# KiCad board d20_tri_r0.3_4x1.kicad_pcb (continued)
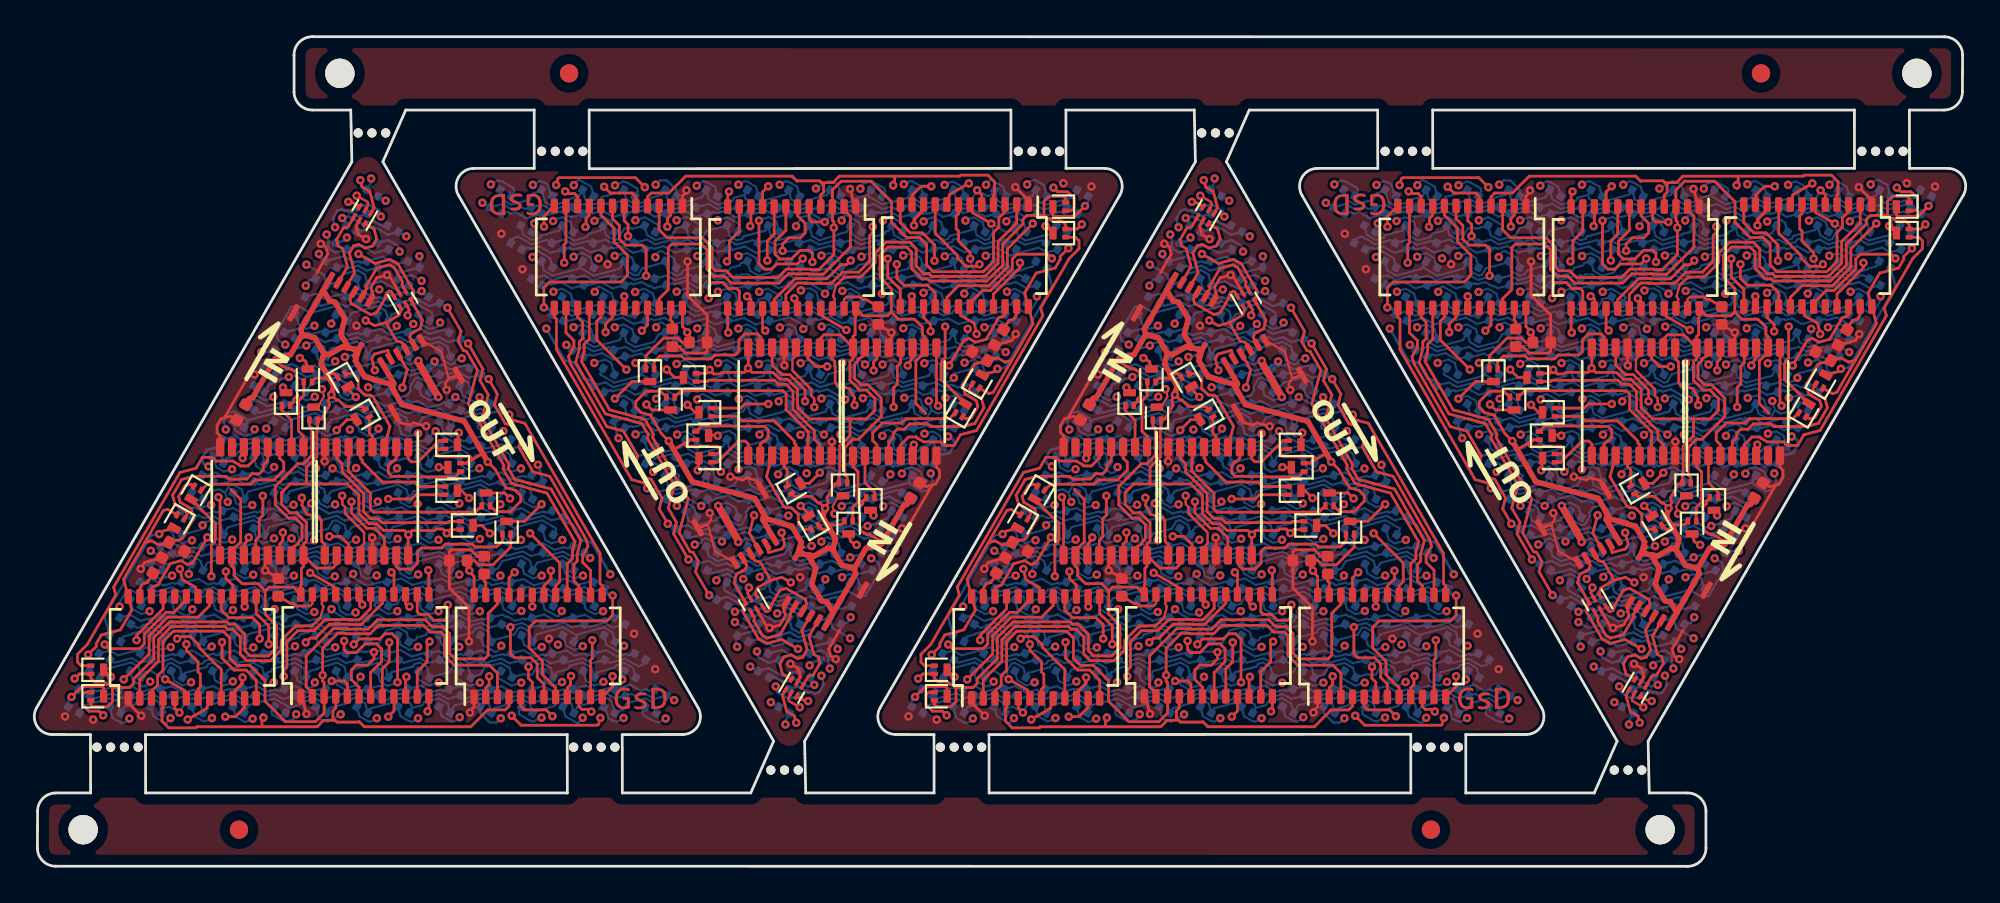
[diagram p0: board, top side]
## Routing (per net, layer and track width the routed paths; a pad name or vN(x,y) marks a point on that pad's centre or on a via; arc(x,y) is an arc through that point) (continued)
  In2.Cu w0.25: v1(25.46,12.03) 26.58,10.1 v1(26.55,10.02) 26.56,10.02 v1(27.66,8.11) ; v1(79.87,33.23) 78.76,35.15 v1(78.78,35.24) 78.77,35.24 v1(77.67,37.15) ; v1(73.66,8.11) 72.56,10.02 v1(72.55,10.02) 72.58,10.1 v1(71.46,12.03) ; v1(31.67,37.15) 32.77,35.24 v1(32.78,35.24) 32.76,35.15 v1(33.87,33.23)
  Bottom w0.114: v1(37.29,27.45) 37.31,27.49 37.77,27.61 38.24,27.34 D54.1 ; v1(38.43,25.49) 38.46,25.55 38.89,25.66 39.36,25.39 D55.1 ; 36.16,29.39 36.18,29.43 36.65,29.55 37.11,29.28 D53.1 ; D52.1 35.95,31.39 35.68,31.54 35.05,31.37 v1(35.03,31.34) ; v1(33.87,33.23) 34.03,33.51 34.21,33.56 34.86,33.18 D51.1 ; v1(32.78,35.24) 33.09,35.32 33.11,35.35 33.3,35.4 34.01,34.99 34.04,34.88 D50.1 ; D49.1 32.92,36.83 32.88,36.97 32.3,37.3 32.1,37.36 31.73,37.14 ; v1(22.04,17.81) 22.02,17.77 21.56,17.65 21.09,17.92 D54#2.1 ; v1(20.9,19.76) 20.87,19.71 20.44,19.59 19.97,19.86 D55#2.1 ; D49#2.1 26.41,8.43 26.45,8.28 27.03,7.95 27.23,7.9 27.6,8.11 ; D50#2.1 25.29,10.37 25.32,10.26 26.03,9.86 26.22,9.91 26.24,9.93 v1(26.55,10.02) ; D51#2.1 24.47,12.08 25.12,11.7 25.3,11.75 v1(25.46,12.03) ; v1(24.3,13.91) 24.28,13.88 23.65,13.71 23.39,13.86 D52#2.1 ; D53#2.1 22.22,15.97 22.69,15.7 23.15,15.83 23.17,15.86 ; v1(83.29,27.45) 83.31,27.49 83.77,27.61 84.24,27.34 D54#3.1 ; v1(84.43,25.49) 84.46,25.55 84.89,25.66 85.36,25.39 D55#4.1 ; D54#4.1 67.09,17.92 67.56,17.65 68.02,17.77 v1(68.04,17.81) ; v1(66.9,19.76) 66.87,19.71 66.44,19.59 65.97,19.86 D55#3.1 ; D51#4.1 70.47,12.08 71.12,11.7 71.3,11.75 v1(71.46,12.03) ; D49#3.1 78.92,36.83 78.88,36.97 78.3,37.3 78.1,37.36 77.73,37.14 ; D50#3.1 80.04,34.88 80.01,34.99 79.3,35.4 79.11,35.35 79.09,35.32 v1(78.78,35.24) ; D51#3.1 80.86,33.18 80.21,33.56 80.03,33.51 v1(79.87,33.23) ; v1(81.03,31.34) 81.05,31.37 81.68,31.54 81.95,31.39 D52#4.1 ; D53#3.1 83.11,29.28 82.65,29.55 82.18,29.43 82.16,29.39 ; 73.6,8.11 73.23,7.9 73.03,7.95 72.45,8.28 72.41,8.43 D49#4.1 ; v1(70.3,13.91) 70.28,13.88 69.65,13.71 69.39,13.86 D52#3.1 ; D50#4.1 71.29,10.37 71.32,10.26 72.03,9.86 72.22,9.91 72.24,9.93 v1(72.55,10.02) ; D53#4.1 68.22,15.97 68.69,15.7 69.15,15.83 69.17,15.86
  Bottom w0.127: 40.58,21.39 40.74,21.67 41.14,21.78 41.61,21.51 D57.1 ; v1(42.92,17.71) 43.02,17.87 43.29,17.95 43.85,17.62 D59.1 ; v1(44.05,15.77) 44.09,15.83 44.51,15.94 44.9,15.72 45.04,15.19 D60.1 ; v1(41.8,19.66) 41.83,19.72 42.27,19.83 42.65,19.61 42.8,19.08 D58.1 ; v1(39.55,23.55) 39.67,23.75 39.87,23.81 40.48,23.46 D56.1 ; D59#2.1 15.48,27.63 16.04,27.31 16.31,27.38 v1(16.41,27.55) ; D56#2.1 18.85,21.8 19.46,21.45 19.66,21.5 v1(19.78,21.71) ; 18.76,23.86 18.59,23.58 18.19,23.47 17.73,23.74 D57#2.1 ; v1(17.54,25.6) 17.5,25.54 17.07,25.42 16.68,25.65 16.53,26.17 D58#2.1 ; D60#2.1 14.29,30.07 14.43,29.54 14.82,29.31 15.24,29.43 v1(15.28,29.48) ; D59#4.1 89.85,17.62 89.29,17.95 89.02,17.87 v1(88.92,17.71) ; D59#3.1 61.48,27.63 62.04,27.31 62.31,27.38 v1(62.41,27.55) ; D56#4.1 86.48,23.46 85.87,23.81 85.67,23.75 v1(85.55,23.55) ; 86.58,21.39 86.74,21.67 87.14,21.78 87.61,21.51 D57#4.1 ; v1(87.8,19.66) 87.83,19.72 88.27,19.83 88.65,19.61 88.8,19.08 D58#4.1 ; D60#4.1 91.04,15.19 90.9,15.72 90.51,15.94 90.09,15.83 v1(90.05,15.77) ; v1(65.78,21.71) 65.66,21.5 65.46,21.45 64.85,21.8 D56#3.1 ; 64.76,23.86 64.59,23.58 64.19,23.47 63.73,23.74 D57#3.1 ; v1(63.54,25.6) 63.5,25.54 63.07,25.42 62.68,25.65 62.53,26.17 D58#3.1 ; v1(61.28,29.48) 61.24,29.43 60.82,29.31 60.43,29.54 60.29,30.07 D60#3.1
row_4: length 203.9
  Top w0.15: v1(16.49,23.79) 17.06,24.35 17.06,24.36 Q5#2.3 ; v1(88.84,21.47) 88.28,20.9 88.28,20.89 Q5#4.3 ; v1(62.49,23.79) 63.06,24.35 63.06,24.36 Q5#3.3 ; v1(42.84,21.47) 42.28,20.9 42.28,20.89 Q5.3
  In1.Cu w0.3: v1(22.05,13.92) 23.17,11.97 ; 24.31,10.02 v1(24.3,10.02) ; v1(83.28,31.34) 82.16,33.29 ; 81.02,35.24 v1(81.03,35.23) ; 70.31,10.02 v1(70.3,10.02) ; v1(68.05,13.92) 69.17,11.97 ; 35.02,35.24 v1(35.03,35.23) ; v1(37.28,31.34) 36.16,33.29
  In1.Cu w0.4: v1(16.49,23.79) 16.45,23.63 v1(17.55,21.72) 17.7,21.68 v1(18.73,19.89) 19.84,17.97 v1(19.81,17.86) v1(20.93,15.92) 20.92,15.87 v1(22.05,13.92) 23.17,11.97 v1(23.18,11.97) ; v1(88.84,21.47) 88.88,21.63 v1(87.78,23.53) 87.63,23.57 v1(86.6,25.36) 85.49,27.28 v1(85.52,27.39) v1(84.4,29.33) 84.41,29.39 v1(83.28,31.34) 82.16,33.29 v1(82.16,33.29) ; v1(69.18,11.97) 69.17,11.97 v1(68.05,13.92) 66.92,15.87 v1(66.93,15.92) v1(65.81,17.86) 65.84,17.97 v1(64.73,19.89) 63.7,21.68 v1(63.55,21.72) 62.45,23.63 v1(62.49,23.79) ; v1(42.84,21.47) 42.88,21.63 v1(41.78,23.53) 41.63,23.57 v1(40.6,25.36) 39.49,27.28 v1(39.52,27.39) v1(38.4,29.33) 38.41,29.39 v1(37.28,31.34) 36.16,33.29 v1(36.16,33.29)
  In2.Cu w0.15: v1(16.49,23.79) 16.28,23.85 15.28,25.59 15.28,25.79 15.27,25.8 15.27,27.24 15.6,27.81 15.38,28.64 14.3,29.26 13.44,29.03 12.97,28.21 v1(12.38,28.05) ; v1(88.84,21.47) 89.05,21.41 90.05,19.67 90.05,19.47 90.06,19.46 90.06,18.02 89.73,17.44 89.96,16.62 91.03,16 91.89,16.23 92.36,17.04 v1(92.95,17.2) ; v1(58.38,28.05) 58.97,28.21 59.44,29.03 60.3,29.26 61.38,28.64 61.6,27.81 61.27,27.24 61.27,25.8 61.28,25.79 61.28,25.59 62.28,23.85 v1(62.49,23.79) ; v1(42.84,21.47) 43.05,21.41 44.05,19.67 44.05,19.47 44.06,19.46 44.06,18.02 43.73,17.44 43.96,16.62 45.03,16 45.89,16.23 46.36,17.04 v1(46.95,17.2)
  In2.Cu w0.25: v1(24.3,10.02) 24.67,9.39 26.18,8.98 26.63,8.2 26.55,7.93 26.09,7.66 25.6,7.79 v1(25.44,8.08) ; v1(81.03,35.23) 80.66,35.87 79.15,36.27 78.7,37.05 78.78,37.32 79.24,37.59 79.73,37.46 v1(79.89,37.18) ; v1(71.44,8.08) 71.6,7.79 72.09,7.66 72.55,7.93 72.63,8.2 72.18,8.98 70.67,9.39 v1(70.3,10.02) ; v1(35.03,35.23) 34.66,35.87 33.15,36.27 32.7,37.05 32.78,37.32 33.24,37.59 33.73,37.46 v1(33.89,37.18)
  In2.Cu w0.3: v1(23.18,11.97) 23.18,11.97 v1(24.3,10.02) ; v1(82.16,33.29) 82.15,33.29 v1(81.03,35.23) ; v1(69.18,11.97) 69.18,11.97 v1(70.3,10.02) ; v1(35.03,35.23) 36.15,33.29 v1(36.16,33.29)
  Bottom w0.114: 39.55,27.44 39.58,27.49 40.02,27.61 40.48,27.34 D70.1 ; D69.1 39.36,29.28 38.89,29.55 38.43,29.43 38.41,29.39 ; v1(37.28,31.34) 37.3,31.37 37.77,31.5 38.24,31.23 D68.1 ; v1(36.16,33.29) 36.17,33.32 36.64,33.45 37.11,33.18 D67.1 ; v1(35.03,35.23) 35.04,35.26 35.59,35.41 36.25,35.03 36.29,34.88 D66.1 ; D66#2.1 23.04,10.37 23.08,10.23 23.74,9.85 24.29,9.99 v1(24.3,10.02) ; D67#2.1 22.22,12.08 22.69,11.81 23.16,11.94 v1(23.18,11.97) ; D68#2.1 21.1,14.03 21.56,13.76 22.03,13.88 v1(22.05,13.92) ; 20.92,15.86 20.9,15.82 20.44,15.7 19.97,15.97 D69#2.1 ; D70#2.1 18.85,17.92 19.31,17.65 19.75,17.76 19.78,17.82 ; v1(68.05,13.92) 68.03,13.88 67.56,13.76 67.1,14.03 D68#4.1 ; D67#3.1 68.22,12.08 68.69,11.81 69.16,11.94 v1(69.18,11.97) ; D66#3.1 82.29,34.88 82.25,35.03 81.59,35.41 81.04,35.26 v1(81.03,35.23) ; D67#4.1 83.11,33.18 82.64,33.45 82.17,33.32 v1(82.16,33.29) ; D68#3.1 84.24,31.23 83.77,31.5 83.3,31.37 v1(83.28,31.34) ; 84.41,29.39 84.43,29.43 84.89,29.55 85.36,29.28 D69#3.1 ; D70#3.1 86.48,27.34 86.02,27.61 85.58,27.49 85.55,27.44 ; 65.78,17.82 65.75,17.76 65.31,17.65 64.85,17.92 D70#4.1 ; D69#4.1 65.97,15.97 66.44,15.7 66.9,15.82 66.92,15.86 ; D66#4.1 69.04,10.37 69.08,10.23 69.74,9.85 70.29,9.99 v1(70.3,10.02)
  Bottom w0.127: D75.1 46.85,17.26 v1(46.95,17.2) ; D74.1 44.98,19.57 44.5,19.84 44.09,19.73 44.05,19.67 ; D72.1 42.78,23.28 42.71,23.32 42.66,23.5 42.22,23.75 41.85,23.65 v1(41.78,23.53) ; v1(42.84,21.47) 42.95,21.66 43.39,21.78 43.85,21.51 D73.1 ; D71.1 41.6,25.4 41.11,25.69 40.71,25.59 40.59,25.36 ; D72#2.1 16.56,21.97 16.62,21.93 16.67,21.76 17.11,21.5 17.48,21.6 v1(17.55,21.72) ; D73#2.1 15.48,23.74 15.94,23.48 16.38,23.59 v1(16.49,23.79) ; v1(12.38,28.05) 12.48,28 D75#2.1 ; 18.74,19.89 18.62,19.67 18.22,19.57 17.73,19.85 D71#2.1 ; D74#2.1 14.35,25.69 14.83,25.42 15.24,25.53 15.28,25.59 ; D65#2.1 24.33,8.35 24.83,7.85 25.21,7.85 v1(25.44,8.08) ; D72#3.1 88.78,23.28 88.71,23.32 88.66,23.5 88.22,23.75 87.85,23.65 v1(87.78,23.53) ; D73#4.1 89.85,21.51 89.39,21.78 88.95,21.66 v1(88.84,21.47) ; v1(92.95,17.2) 92.85,17.26 D75#3.1 ; 86.59,25.36 86.71,25.59 87.11,25.69 87.6,25.4 D71#3.1 ; D74#3.1 90.98,19.57 90.5,19.84 90.09,19.73 90.05,19.67 ; D65#4.1 81,36.9 80.5,37.41 80.12,37.41 v1(79.89,37.18) ; 64.74,19.89 64.62,19.67 64.22,19.57 63.73,19.85 D71#4.1 ; D65#3.1 70.33,8.35 70.83,7.85 71.21,7.85 v1(71.44,8.08) ; 61.28,25.59 61.24,25.53 60.83,25.42 60.35,25.69 D74#4.1 ; v1(62.49,23.79) 62.38,23.59 61.94,23.48 61.48,23.74 D73#3.1 ; D72#4.1 62.56,21.97 62.62,21.93 62.67,21.76 63.11,21.5 63.48,21.6 v1(63.55,21.72) ; v1(58.38,28.05) 58.48,28 D75#4.1 ; D65.1 35,36.9 34.5,37.41 34.12,37.41 v1(33.89,37.18)
  vias: v1(15.29,25.61) v1(44.04,19.64) v1(61.29,25.61) v1(90.04,19.64)
row_5: length 189.7
  Top w0.15: Q6.3 36.03,24.77 v1(35.62,25.17) ; v1(23.71,20.09) 23.3,20.49 Q6#2.3 ; v1(81.62,25.17) 82.03,24.77 Q6#4.3 ; v1(69.71,20.09) 69.3,20.49 Q6#3.3
  In1.Cu w0.25: v1(22.05,10.02) 22.12,10 v1(23.2,8.13) ; v1(68.05,10.02) 68.12,10 v1(69.2,8.13) ; v1(83.28,35.23) 83.21,35.25 v1(82.13,37.12) ; v1(37.28,35.23) 37.21,35.25 v1(36.13,37.12)
  In1.Cu w0.4: v1(19.8,13.92) 18.67,15.86 v1(18.67,15.87) 18.67,15.87 v1(17.54,17.81) 17,18.76 16.97,18.76 v1(16.4,19.74) 15.84,20.71 15.6,20.78 15.27,21.35 v1(15.36,21.71) 14.46,21.95 13.48,23.65 v1(12.65,23.87) ; v1(85.53,31.34) 86.66,29.39 v1(86.66,29.39) 86.66,29.39 v1(87.79,27.44) 88.33,26.5 88.36,26.49 v1(88.93,25.51) 89.49,24.54 89.73,24.48 90.06,23.9 v1(89.97,23.55) 90.87,23.31 91.85,21.6 v1(92.68,21.38) ; v1(65.8,13.92) 64.67,15.86 v1(64.67,15.87) 64.67,15.87 v1(63.54,17.81) 63,18.76 62.97,18.76 v1(62.4,19.74) 61.84,20.71 61.6,20.78 61.27,21.35 v1(61.36,21.71) 60.46,21.95 59.48,23.65 v1(58.65,23.87) ; v1(39.53,31.34) 40.66,29.39 v1(40.66,29.39) 40.66,29.39 v1(41.79,27.44) 42.33,26.5 42.36,26.49 v1(42.93,25.51) 43.49,24.54 43.73,24.48 44.06,23.9 v1(43.97,23.55) 44.87,23.31 45.85,21.6 v1(46.68,21.38)
  In2.Cu w0.15: v1(46.68,21.38) 46.27,19.84 46.35,19.69 ; v1(35.62,25.17) 35.62,26.5 36.08,26.96 36.08,28.5 36.68,29.09 36.68,29.72 36.36,30.04 36.36,31.19 37.55,32.39 37.93,32.39 38.47,32.92 38.47,33.25 ; 20.86,12.01 20.86,12.33 21.4,12.86 21.78,12.86 22.97,14.06 22.97,15.22 22.65,15.54 22.65,16.16 23.25,16.75 23.25,18.3 23.71,18.76 v1(23.71,20.09) ; 12.98,25.57 13.06,25.42 v1(12.65,23.87) ; 84.47,33.25 84.47,32.92 83.93,32.39 83.55,32.39 82.36,31.19 82.36,30.04 82.68,29.72 82.68,29.09 82.08,28.5 82.08,26.96 81.62,26.5 v1(81.62,25.17) ; 92.35,19.69 92.27,19.84 v1(92.68,21.38) ; 58.98,25.57 59.06,25.42 v1(58.65,23.87) ; 66.86,12.01 66.86,12.33 67.4,12.86 67.78,12.86 68.97,14.06 68.97,15.22 68.65,15.54 68.65,16.16 69.25,16.75 69.25,18.3 69.71,18.76 v1(69.71,20.09)
  In2.Cu w0.25: v1(19.8,13.92) 19.8,13.92 v1(20.93,11.97) 22.05,10.02 v1(22.05,10.02) ; v1(68.05,10.02) 68.05,10.02 v1(66.93,11.97) 65.8,13.92 v1(65.8,13.92) ; v1(85.53,31.34) 85.53,31.34 v1(84.41,33.28) 83.28,35.23 v1(83.28,35.23) ; v1(39.53,31.34) 39.53,31.34 v1(38.41,33.28) 37.28,35.23 v1(37.28,35.23)
  Bottom w0.114: v1(40.66,29.39) 40.68,29.43 41.2,29.57 41.51,29.39 41.66,28.81 D85.1 ; v1(38.41,33.28) 38.43,33.32 38.89,33.44 39.36,33.18 D83.1 ; D81.1 37.11,37.07 36.7,37.31 36.47,37.37 36.15,37.18 ; D82.1 38.47,34.77 38.39,35.06 37.8,35.4 37.3,35.26 v1(37.28,35.23) ; D84.1 40.78,30.99 40.76,31.07 40.02,31.5 39.55,31.38 v1(39.53,31.34) ; v1(22.05,10.02) 22.03,9.99 21.53,9.86 20.94,10.19 20.86,10.49 D82#2.1 ; D81#2.1 22.22,8.19 22.64,7.95 22.86,7.89 23.18,8.07 ; D83#2.1 19.97,12.08 20.44,11.81 20.91,11.94 v1(20.93,11.97) ; v1(19.8,13.92) 19.78,13.88 19.32,13.76 18.57,14.19 18.55,14.27 D84#2.1 ; D85#2.1 17.67,16.44 17.82,15.86 18.13,15.68 18.65,15.82 v1(18.67,15.87) ; 69.18,8.07 68.86,7.89 68.64,7.95 68.22,8.19 D81#4.1 ; D83#4.1 65.97,12.08 66.44,11.81 66.91,11.94 v1(66.93,11.97) ; v1(83.28,35.23) 83.3,35.26 83.8,35.4 84.39,35.06 84.47,34.77 D82#3.1 ; D85#4.1 63.67,16.44 63.82,15.86 64.13,15.68 64.65,15.82 v1(64.67,15.87) ; v1(65.8,13.92) 65.78,13.88 65.32,13.76 64.57,14.19 64.55,14.27 D84#3.1 ; D81#3.1 83.11,37.07 82.7,37.31 82.47,37.37 82.15,37.18 ; D83#3.1 85.36,33.18 84.89,33.44 84.43,33.32 v1(84.41,33.28) ; v1(85.53,31.34) 85.55,31.38 86.02,31.5 86.76,31.07 86.78,30.99 D84#4.1 ; D85#3.1 87.66,28.81 87.51,29.39 87.2,29.57 86.68,29.43 v1(86.66,29.39) ; v1(68.05,10.02) 68.03,9.99 67.53,9.86 66.94,10.19 66.86,10.49 D82#4.1
  Bottom w0.127: D90.1 47.22,19.56 46.76,19.83 46.33,19.72 v1(46.29,19.65) ; D86.1 42.73,27.35 42.26,27.61 41.82,27.5 v1(41.79,27.44) ; D87.1 43.9,25.23 43.82,25.27 43.78,25.44 43.38,25.67 42.95,25.55 ; D86#2.1 16.6,17.91 17.07,17.64 17.51,17.76 v1(17.54,17.81) ; 16.38,19.7 15.95,19.58 15.55,19.81 15.51,19.98 15.43,20.03 D87#2.1 ; D90#2.1 12.11,25.69 12.57,25.42 13,25.54 v1(13.04,25.61) ; D88#2.1 14.36,21.8 14.82,21.53 15.19,21.53 v1(15.36,21.71) ; D88#3.1 60.36,21.8 60.82,21.53 61.19,21.53 v1(61.36,21.71) ; v1(59.04,25.61) 59,25.54 58.57,25.42 58.11,25.69 D90#3.1 ; v1(63.54,17.81) 63.51,17.76 63.07,17.64 62.6,17.91 D86#4.1 ; 62.38,19.7 61.95,19.58 61.55,19.81 61.51,19.98 61.43,20.03 D87#4.1 ; D86#3.1 88.73,27.35 88.26,27.61 87.82,27.5 v1(87.79,27.44) ; 88.95,25.55 89.38,25.67 89.78,25.44 89.82,25.27 89.9,25.23 D87#3.1 ; D90#4.1 93.22,19.56 92.76,19.83 92.33,19.72 v1(92.29,19.65) ; D88#4.1 90.98,23.46 90.51,23.72 90.14,23.72 v1(89.97,23.55) ; D88.1 44.98,23.46 44.51,23.72 44.14,23.72 v1(43.97,23.55)
  Bottom w0.15: D89.1 46.49,21.05 v1(46.68,21.38) ; D89#2.1 12.84,24.21 v1(12.65,23.87) ; v1(58.65,23.87) 58.84,24.21 D89#4.1 ; D89#3.1 92.49,21.05 v1(92.68,21.38)
row_6: length 231.9
  Top w0.15: 33.39,25.19 v1(33.39,25.19) 33.69,24.89 Q7.3 ; 25.94,20.07 v1(25.94,20.06) 25.64,20.36 Q7#2.3 ; v1(17.43,12.11) 17.72,12.4 18.84,12.4 19.13,12.68 19.52,12.68 19.81,12.39 v1(19.81,10.04) ; 71.94,20.07 v1(71.94,20.06) 71.64,20.36 Q7#3.3 ; 79.39,25.19 v1(79.39,25.19) 79.69,24.89 Q7#4.3 ; v1(87.91,33.15) 87.61,32.85 86.49,32.85 86.21,32.57 85.81,32.57 85.52,32.86 v1(85.52,35.22) ; v1(63.43,12.11) 63.72,12.4 64.84,12.4 65.13,12.68 65.52,12.68 65.81,12.39 v1(65.81,10.04) ; v1(39.52,35.22) 39.52,32.86 39.81,32.57 40.21,32.57 40.49,32.85 41.61,32.85 v1(41.91,33.15)
  In1.Cu w0.25: v1(12.01,23.84) 12.78,22.51 12.74,22.36 v1(13.08,21.78) 14.02,20.15 13.98,20 v1(14.14,19.72) 14.15,19.72 v1(15.27,17.79) 16.39,15.83 v1(16.39,15.82) ; v1(17.52,13.85) 18.29,12.51 18.64,12.42 19.38,11.13 19.32,10.89 v1(19.81,10.04) 20.93,8.09 v1(20.93,8.08) ; v1(66.93,8.08) 66.93,8.09 v1(65.81,10.04) 65.32,10.89 65.38,11.13 64.64,12.42 64.29,12.51 v1(63.52,13.85) ; v1(62.39,15.82) 62.39,15.83 v1(61.27,17.79) 60.15,19.72 v1(60.14,19.72) 59.98,20 60.02,20.15 v1(59.08,21.78) 58.74,22.36 58.78,22.51 v1(58.01,23.84) ; v1(93.32,21.42) 92.55,22.75 92.59,22.89 v1(92.25,23.48) 91.31,25.11 91.35,25.25 v1(91.19,25.54) 91.18,25.54 v1(90.06,27.47) 88.94,29.42 v1(88.94,29.44) ; v1(87.81,31.41) 87.04,32.75 86.69,32.84 85.95,34.13 86.01,34.37 v1(85.52,35.22) 84.4,37.16 v1(84.4,37.18) ; v1(47.32,21.42) 46.55,22.75 46.59,22.89 v1(46.25,23.48) 45.31,25.11 45.35,25.25 v1(45.19,25.54) 45.18,25.54 v1(44.06,27.47) 42.94,29.42 v1(42.94,29.44) ; v1(38.4,37.18) 38.4,37.16 v1(39.52,35.22) 40.01,34.37 39.95,34.13 40.69,32.84 41.04,32.75 v1(41.81,31.41)
  In2.Cu w0.15: 19.74,10.06 20.35,9.71 20.49,9.47 22.13,9.03 22.98,9.52 23.06,9.82 22.09,11.5 22.39,12.62 22.39,12.63 22.42,12.76 24.03,14.37 25.26,14.37 26.66,15.77 26.66,16.41 26.22,17.17 26.07,17.21 25.68,17.88 26.17,19.68 v1(25.94,20.06) ; 65.74,10.06 66.35,9.71 66.49,9.47 68.13,9.03 68.98,9.52 69.06,9.82 68.09,11.5 68.39,12.62 68.39,12.63 68.42,12.76 70.03,14.37 71.26,14.37 72.66,15.77 72.66,16.41 72.22,17.17 72.07,17.21 71.68,17.88 72.17,19.68 v1(71.94,20.06) ; 85.59,35.19 84.98,35.54 84.85,35.79 83.2,36.23 82.35,35.74 82.27,35.44 83.24,33.76 82.94,32.63 82.94,32.63 82.91,32.49 81.3,30.89 80.07,30.89 78.67,29.49 78.67,28.85 79.11,28.08 79.26,28.04 79.65,27.38 79.17,25.57 v1(79.39,25.19) ; 39.59,35.19 38.98,35.54 38.85,35.79 37.2,36.23 36.35,35.74 36.27,35.44 37.24,33.76 36.94,32.63 36.94,32.63 36.91,32.49 35.3,30.89 34.07,30.89 32.67,29.49 32.67,28.85 33.11,28.08 33.26,28.04 33.65,27.38 33.17,25.57 v1(33.39,25.19)
  In2.Cu w0.25: v1(16.39,15.82) 17.53,13.85 v1(17.52,13.85) 17.77,13.41 v1(17.43,12.11) ; v1(88.94,29.44) 87.8,31.4 v1(87.81,31.41) 87.56,31.84 v1(87.91,33.15) ; v1(63.43,12.11) 63.77,13.41 v1(63.52,13.85) 63.53,13.85 v1(62.39,15.82) ; v1(42.94,29.44) 41.8,31.4 v1(41.81,31.41) 41.56,31.84 v1(41.91,33.15)
  Bottom w0.114: D101.1 43.85,29.28 43.38,29.55 v1(42.94,29.44) ; D97.1 39.36,37.07 38.91,37.33 38.74,37.37 v1(38.4,37.18) ; D98.1 40.46,35.19 40.09,35.41 39.55,35.26 v1(39.52,35.22) ; D104.1 47.22,23.45 46.6,23.81 46.42,23.76 v1(46.25,23.48) ; v1(19.81,10.04) 19.78,9.99 19.24,9.85 18.87,10.06 D98#2.1 ; D97#2.1 19.97,8.19 20.42,7.93 20.59,7.88 v1(20.93,8.08) ; D101#2.1 15.48,15.97 15.95,15.7 v1(16.39,15.82) ; D104#2.1 12.11,21.81 12.73,21.45 12.91,21.5 v1(13.08,21.78) ; v1(17.52,13.85) 17.42,13.74 17,13.74 16.68,13.92 16.53,14.51 D100#2.1 ; D99#2.1 17.43,12.44 v1(17.43,12.11) ; D102#2.1 14.3,18.39 14.45,17.81 14.76,17.63 15.11,17.63 v1(15.27,17.79) ; v1(85.52,35.22) 85.55,35.26 86.09,35.41 86.46,35.19 D98#3.1 ; D97#3.1 85.36,37.07 84.91,37.33 84.74,37.37 v1(84.4,37.18) ; D101#3.1 89.85,29.28 89.38,29.55 v1(88.94,29.44) ; D104#3.1 93.22,23.45 92.6,23.81 92.42,23.76 v1(92.25,23.48) ; v1(87.81,31.41) 87.91,31.52 88.33,31.52 88.65,31.33 88.81,30.75 D100#3.1 ; D99#3.1 87.91,32.82 v1(87.91,33.15) ; D102#3.1 91.03,26.87 90.88,27.45 90.57,27.62 90.22,27.62 v1(90.06,27.47) ; D102#4.1 60.3,18.39 60.45,17.81 60.76,17.63 61.11,17.63 v1(61.27,17.79) ; v1(59.08,21.78) 58.91,21.5 58.73,21.45 58.11,21.81 D104#4.1 ; v1(66.93,8.08) 66.59,7.88 66.42,7.93 65.97,8.19 D97#4.1 ; D101#4.1 61.48,15.97 61.95,15.7 v1(62.39,15.82) ; D99#4.1 63.43,12.44 v1(63.43,12.11) ; D100#4.1 62.53,14.51 62.68,13.92 63,13.74 63.42,13.74 v1(63.52,13.85) ; v1(65.81,10.04) 65.78,9.99 65.24,9.85 64.87,10.06 D98#4.1 ; v1(41.91,33.15) 41.91,32.82 D99.1 ; v1(44.06,27.47) 44.22,27.62 44.57,27.62 44.88,27.45 45.03,26.87 D102.1 ; D100.1 42.81,30.75 42.65,31.33 42.33,31.52 41.91,31.52 v1(41.81,31.41)
  Bottom w0.127: D105.1 48.35,21.51 47.87,21.79 47.5,21.69 47.34,21.41 ; D103.1 46.1,25.4 45.63,25.67 45.2,25.55 v1(45.19,25.54) ; D103#2.1 13.23,19.85 13.7,19.59 14.13,19.7 v1(14.14,19.72) ; 11.99,23.85 11.83,23.57 11.46,23.47 10.98,23.74 D105#2.1 ; 57.99,23.85 57.83,23.57 57.46,23.47 56.98,23.74 D105#4.1 ; D103#3.1 92.1,25.4 91.63,25.67 91.2,25.55 v1(91.19,25.54) ; 93.34,21.41 93.5,21.69 93.87,21.79 94.35,21.51 D105#3.1 ; v1(60.14,19.72) 60.13,19.7 59.7,19.59 59.23,19.85 D103#4.1
row_7: length 218.6
  Top w0.15: Q8.3 34.92,26.67 v1(34.49,27.1) ; v1(24.84,18.16) 24.41,18.59 Q8#2.3 ; v1(80.49,27.1) 80.92,26.67 Q8#4.3 ; Q8#3.3 70.41,18.59 v1(70.84,18.16)
  In1.Cu w0.15: 30.82,33.13 30.68,32.63 33.05,28.52 33.77,28.33 v1(34.49,27.1) ; 28.51,12.12 28.65,12.63 26.28,16.73 25.56,16.92 v1(24.84,18.16) ; 76.82,33.13 76.68,32.63 79.05,28.52 79.77,28.33 v1(80.49,27.1) ; 74.51,12.12 74.65,12.63 72.28,16.73 71.56,16.92 v1(70.84,18.16)
  In1.Cu w0.25: v1(10.78,21.66) 11.89,19.73 v1(11.89,19.71) 12.2,19.17 12.36,19.13 v1(13.07,17.89) 14.03,16.24 14,16.13 v1(14.16,15.85) 15.28,13.91 v1(15.27,13.87) 16.38,11.95 v1(16.41,11.94) 17.25,10.48 v1(17.79,10.34) ; v1(56.78,21.66) 57.89,19.73 v1(57.89,19.71) 58.2,19.17 58.36,19.13 v1(59.07,17.89) 60.03,16.24 60,16.13 v1(60.16,15.85) 61.28,13.91 v1(61.27,13.87) 62.38,11.95 v1(62.41,11.94) 63.25,10.48 v1(63.79,10.34) ; v1(94.55,23.6) 93.44,25.52 v1(93.44,25.55) 93.13,26.08 92.97,26.13 v1(92.26,27.37) 91.31,29.02 91.33,29.12 v1(91.17,29.4) 90.05,31.34 v1(90.06,31.38) 88.95,33.3 v1(88.92,33.31) 88.08,34.77 v1(87.54,34.92) ; v1(41.54,34.92) 42.08,34.77 v1(42.92,33.31) 42.95,33.3 v1(44.06,31.38) 44.05,31.34 v1(45.17,29.4) 45.33,29.12 45.31,29.02 v1(46.26,27.37) 46.97,26.13 47.13,26.08 v1(47.44,25.55) 47.44,25.52 v1(48.55,23.6)
  In2.Cu w0.15: v1(18.68,8.08) 18.81,8.57 v1(17.79,10.34) ; 18.62,8.12 18.62,8.44 19.25,9.07 20.89,9.07 22.27,8.7 23.32,9.31 23.43,9.74 22.63,11.14 22.63,12.12 22.63,12.14 23.94,13.45 26.3,13.45 26.54,13.04 26.51,12.93 27.34,11.49 27.98,11.32 28.42,11.57 v1(28.56,12.09) ; v1(64.68,8.08) 64.81,8.57 v1(63.79,10.34) ; v1(86.65,37.18) 86.52,36.69 v1(87.54,34.92) ; 86.71,37.14 86.71,36.81 86.08,36.18 84.44,36.18 84.44,36.18 83.06,36.55 82.01,35.95 81.9,35.52 82.71,34.12 82.71,33.13 82.7,33.11 81.39,31.8 79.03,31.8 78.79,32.22 78.82,32.33 77.99,33.76 77.35,33.94 76.91,33.68 v1(76.77,33.16) ; v1(74.56,12.09) 74.42,11.57 73.98,11.32 73.34,11.49 72.51,12.93 72.54,13.04 72.3,13.45 69.94,13.45 68.63,12.14 68.63,12.12 68.63,11.14 69.43,9.74 69.32,9.31 68.27,8.7 66.89,9.07 65.25,9.07 64.62,8.44 64.62,8.12 ; v1(40.65,37.18) 40.52,36.69 v1(41.54,34.92) ; 40.71,37.14 40.71,36.81 40.08,36.18 38.44,36.18 38.44,36.18 37.06,36.55 36.01,35.95 35.9,35.52 36.71,34.12 36.71,33.13 36.7,33.11 35.39,31.8 33.03,31.8 32.79,32.22 32.82,32.33 31.99,33.76 31.35,33.94 30.91,33.68 v1(30.77,33.16)
  Bottom w0.114: v1(46.26,27.37) 46.33,27.49 46.86,27.63 47.2,27.44 D118.1 ; D120.1 49.53,22.97 49.39,23.49 49,23.72 v1(48.55,23.6) ; v1(45.17,29.4) 45.19,29.43 45.63,29.55 46.1,29.28 D117.1 ; v1(47.44,25.55) 47.93,25.68 48.33,25.44 D119.1 ; v1(41.54,34.92) 41.82,35.39 42.16,35.48 42.63,35.21 42.69,35 42.77,34.95 D114.1 ; v1(44.06,31.38) 44.5,31.5 44.98,31.23 D116.1 ; v1(42.92,33.31) 42.93,33.32 43.39,33.44 43.85,33.17 D115.1 ; D113.1 41.6,37.07 41.16,37.32 40.99,37.37 v1(40.65,37.18) ; D113#2.1 17.73,8.19 18.17,7.93 18.34,7.89 v1(18.68,8.08) ; D115#2.1 15.48,12.08 15.95,11.81 16.4,11.93 v1(16.41,11.94) ; D116#2.1 14.35,14.03 14.83,13.75 v1(15.27,13.87) ; D114#2.1 16.56,10.3 16.64,10.25 16.7,10.05 17.17,9.77 17.51,9.86 v1(17.79,10.34) ; v1(10.78,21.66) 10.33,21.54 9.94,21.76 9.8,22.28 D120#2.1 ; D117#2.1 13.23,15.97 13.7,15.7 14.14,15.82 v1(14.16,15.85) ; D118#2.1 12.13,17.82 12.48,17.62 13,17.76 v1(13.07,17.89) ; v1(11.89,19.71) 11.4,19.58 11,19.81 D119#2.1 ; D113#3.1 63.73,8.19 64.17,7.93 64.34,7.89 v1(64.68,8.08) ; D115#4.1 61.48,12.08 61.95,11.81 62.4,11.93 v1(62.41,11.94) ; D118#4.1 58.13,17.82 58.48,17.62 59,17.76 v1(59.07,17.89) ; v1(61.27,13.87) 60.83,13.75 60.35,14.03 D116#4.1 ; D114#4.1 62.56,10.3 62.64,10.25 62.7,10.05 63.17,9.77 63.51,9.86 v1(63.79,10.34) ; D113#4.1 87.6,37.07 87.16,37.32 86.99,37.37 v1(86.65,37.18) ; D115#3.1 89.85,33.17 89.39,33.44 88.93,33.32 v1(88.92,33.31) ; D116#3.1 90.98,31.23 90.5,31.5 v1(90.06,31.38) ; D114#3.1 88.77,34.95 88.69,35 88.63,35.21 88.16,35.48 87.82,35.39 v1(87.54,34.92) ; v1(94.55,23.6) 95,23.72 95.39,23.49 95.53,22.97 D120#3.1 ; D117#3.1 92.1,29.28 91.63,29.55 91.19,29.43 v1(91.17,29.4) ; D118#3.1 93.2,27.44 92.86,27.63 92.33,27.49 v1(92.26,27.37) ; v1(93.44,25.55) 93.93,25.68 94.33,25.44 D119#3.1 ; v1(60.16,15.85) 60.14,15.82 59.7,15.7 59.23,15.97 D117#4.1 ; v1(57.89,19.71) 57.4,19.58 57,19.81 D119#4.1 ; v1(56.78,21.66) 56.33,21.54 55.94,21.76 55.8,22.28 D120#4.1
row_8: length 207.8
  Top w0.114: Q9#2.3 15.5,25.12 15.8,25.63 v1(15.69,26.02) ; Q9#3.3 89.83,20.14 89.53,19.63 v1(89.64,19.23) ; Q9#4.3 61.5,25.12 61.8,25.63 v1(61.69,26.02) ; v1(43.64,19.23) 43.53,19.63 43.83,20.14 Q9.3
  Top w0.15: Q9.3 43.87,20.15 ; Q9#2.3 15.46,25.11 ; Q9#3.3 89.87,20.15 ; Q9#4.3 61.46,25.11
  In1.Cu w0.15: 9.65,19.71 10.72,17.85 10.75,17.84 ; 14.64,11.11 15.1,10.32 15.14,10.31 v1(15.3,10.03) ; 14.64,11.11 14.35,11.61 14.38,11.72 v1(14.22,12.01) ; 14.64,11.11 15.25,11.47 15.44,12.15 14.48,13.81 14.57,14.15 12.5,17.73 12.54,17.88 11.85,19.07 11.65,19.13 11.26,19.8 11.3,19.93 10.56,21.21 10.44,21.28 10.43,21.31 10.32,21.51 10.27,21.7 11.72,24.22 14.24,24.9 14.91,26.05 15.41,26.19 v1(15.69,26.02) ; 95.68,25.55 94.61,27.4 94.58,27.41 ; 90.69,34.14 90.24,34.93 90.19,34.94 v1(90.03,35.23) ; 90.69,34.14 90.98,33.65 90.95,33.53 v1(91.11,33.25) ; 90.69,34.14 90.08,33.79 89.9,33.11 90.86,31.44 90.76,31.1 92.83,27.53 92.79,27.38 93.48,26.18 93.68,26.13 94.07,25.46 94.03,25.32 94.77,24.04 94.89,23.97 94.9,23.94 95.01,23.74 95.06,23.56 93.61,21.03 91.09,20.36 90.42,19.2 89.92,19.07 v1(89.64,19.23) ; v1(61.69,26.02) 61.41,26.19 60.91,26.05 60.24,24.9 57.72,24.22 56.27,21.7 56.32,21.51 56.43,21.31 56.44,21.28 56.56,21.21 57.3,19.93 57.26,19.8 57.65,19.13 57.85,19.07 58.54,17.88 58.5,17.73 60.57,14.15 60.48,13.81 61.44,12.15 61.25,11.47 60.64,11.11 ; 55.65,19.71 56.72,17.85 56.75,17.84 ; 60.64,11.11 61.1,10.32 61.14,10.31 v1(61.3,10.03) ; 60.64,11.11 60.35,11.61 60.38,11.72 v1(60.22,12.01) ; v1(44.03,35.23) 44.19,34.94 44.24,34.93 44.69,34.14 ; 48.58,27.41 48.61,27.4 49.68,25.55 ; 44.69,34.14 44.08,33.79 43.9,33.11 44.86,31.44 44.76,31.1 46.83,27.53 46.79,27.38 47.48,26.18 47.68,26.13 48.07,25.46 48.03,25.32 48.77,24.04 48.89,23.97 48.9,23.94 49.01,23.74 49.06,23.56 47.61,21.03 45.09,20.36 44.42,19.2 43.92,19.07 v1(43.64,19.23) ; 44.69,34.14 44.98,33.65 44.95,33.53 v1(45.11,33.25)
  In1.Cu w0.25: v1(16.71,8.29) 16.22,9.13 15.75,9.26 v1(15.3,10.03) 14.2,11.94 v1(14.22,12.01) 13.59,13.1 13.6,13.16 v1(13.1,14.02) ; v1(9.64,19.71) 9.8,19.43 9.88,19.41 v1(10.79,17.82) ; v1(88.63,36.97) 89.11,36.12 89.58,35.99 v1(90.03,35.23) 91.13,33.32 v1(91.11,33.25) 91.74,32.15 91.73,32.1 v1(92.23,31.23) ; v1(95.69,25.55) 95.53,25.83 95.45,25.85 v1(94.54,27.43) ; v1(62.71,8.29) 62.22,9.13 61.75,9.26 v1(61.3,10.03) 60.2,11.94 v1(60.22,12.01) 59.59,13.1 59.6,13.16 v1(59.1,14.02) ; v1(55.64,19.71) 55.8,19.43 55.88,19.41 v1(56.79,17.82) ; v1(48.54,27.43) 49.45,25.85 49.53,25.83 v1(49.69,25.55) ; v1(46.23,31.23) 45.73,32.1 45.74,32.15 v1(45.11,33.25) 45.13,33.32 v1(44.03,35.23) 43.58,35.99 43.11,36.12 v1(42.63,36.97)
  In2.Cu w0.25: v1(13.1,14.02) 12.19,15.6 12.1,15.63 v1(11.94,15.91) 11.21,17.17 11.16,17.19 v1(10.79,17.82) ; v1(92.23,31.23) 93.14,29.65 93.23,29.63 v1(93.39,29.35) 94.12,28.08 94.17,28.07 v1(94.54,27.43) ; v1(59.1,14.02) 58.19,15.6 58.1,15.63 v1(57.94,15.91) 57.21,17.17 57.16,17.19 v1(56.79,17.82) ; v1(48.54,27.43) 48.17,28.07 48.12,28.08 v1(47.39,29.35) 47.23,29.63 47.14,29.65 v1(46.23,31.23)
  Bottom w0.114: D134.1 49.47,27.34 49,27.61 48.57,27.49 v1(48.54,27.43) ; v1(46.23,31.23) 46.39,31.51 46.62,31.57 47.22,31.23 D132.1 ; D129.1 43.82,37.18 43.59,37.31 43.34,37.38 v1(42.63,36.97) ; D130.1 44.98,35.12 44.29,35.51 44.18,35.48 v1(44.03,35.23) ; v1(45.11,33.25) 45.15,33.31 45.74,33.47 46.07,33.28 D131.1 ; D133.1 48.35,29.28 47.88,29.55 47.44,29.43 v1(47.39,29.35) ; D131#2.1 13.26,11.97 13.59,11.78 14.18,11.94 v1(14.22,12.01) ; v1(15.3,10.03) 15.15,9.77 15.04,9.74 14.36,10.14 D130#2.1 ; D129#2.1 15.51,8.07 15.74,7.94 15.99,7.88 v1(16.71,8.29) ; v1(13.1,14.02) 12.94,13.74 12.71,13.68 12.11,14.03 D132#2.1 ; D133#2.1 10.98,15.97 11.45,15.7 11.89,15.82 v1(11.94,15.91) ; v1(10.79,17.82) 10.76,17.76 10.33,17.65 9.86,17.92 D134#2.1 ; D135#2.1 8.74,19.86 9.21,19.59 9.65,19.71 ; D131#4.1 92.07,33.28 91.74,33.47 91.15,33.31 v1(91.11,33.25) ; v1(90.03,35.23) 90.18,35.48 90.29,35.51 90.98,35.12 D130#4.1 ; D129#4.1 89.82,37.18 89.59,37.31 89.34,37.38 v1(88.63,36.97) ; v1(92.23,31.23) 92.39,31.51 92.62,31.57 93.22,31.23 D132#4.1 ; D133#4.1 94.35,29.28 93.88,29.55 93.44,29.43 v1(93.39,29.35) ; v1(94.54,27.43) 94.57,27.49 95,27.61 95.47,27.34 D134#4.1 ; D135#3.1 96.59,25.39 96.12,25.66 95.68,25.55 ; D135#4.1 54.74,19.86 55.21,19.59 55.65,19.71 ; D131#3.1 59.26,11.97 59.59,11.78 60.18,11.94 v1(60.22,12.01) ; v1(61.3,10.03) 61.15,9.77 61.04,9.74 60.36,10.14 D130#3.1 ; D129#3.1 61.51,8.07 61.74,7.94 61.99,7.88 v1(62.71,8.29) ; v1(59.1,14.02) 58.94,13.74 58.71,13.68 58.11,14.03 D132#3.1 ; D133#3.1 56.98,15.97 57.45,15.7 57.89,15.82 v1(57.94,15.91) ; v1(56.79,17.82) 56.76,17.76 56.33,17.65 55.86,17.92 D134#3.1 ; D135.1 50.59,25.39 50.12,25.66 49.68,25.55
